# Altium PCB RPI_Gateway 1.0.1.PcbDoc (part 1 of 2)
Units mil, origin at the board's own origin, x right, y up, seen from the top; angles counter-clockwise.
Board outline 3746 x 4465 mil, 2 copper layers (Top Layer, Bottom Layer); 79 components, 93 nets, 612 pads, 46 vias.
Unrouted connection lines stored in the file: 69.
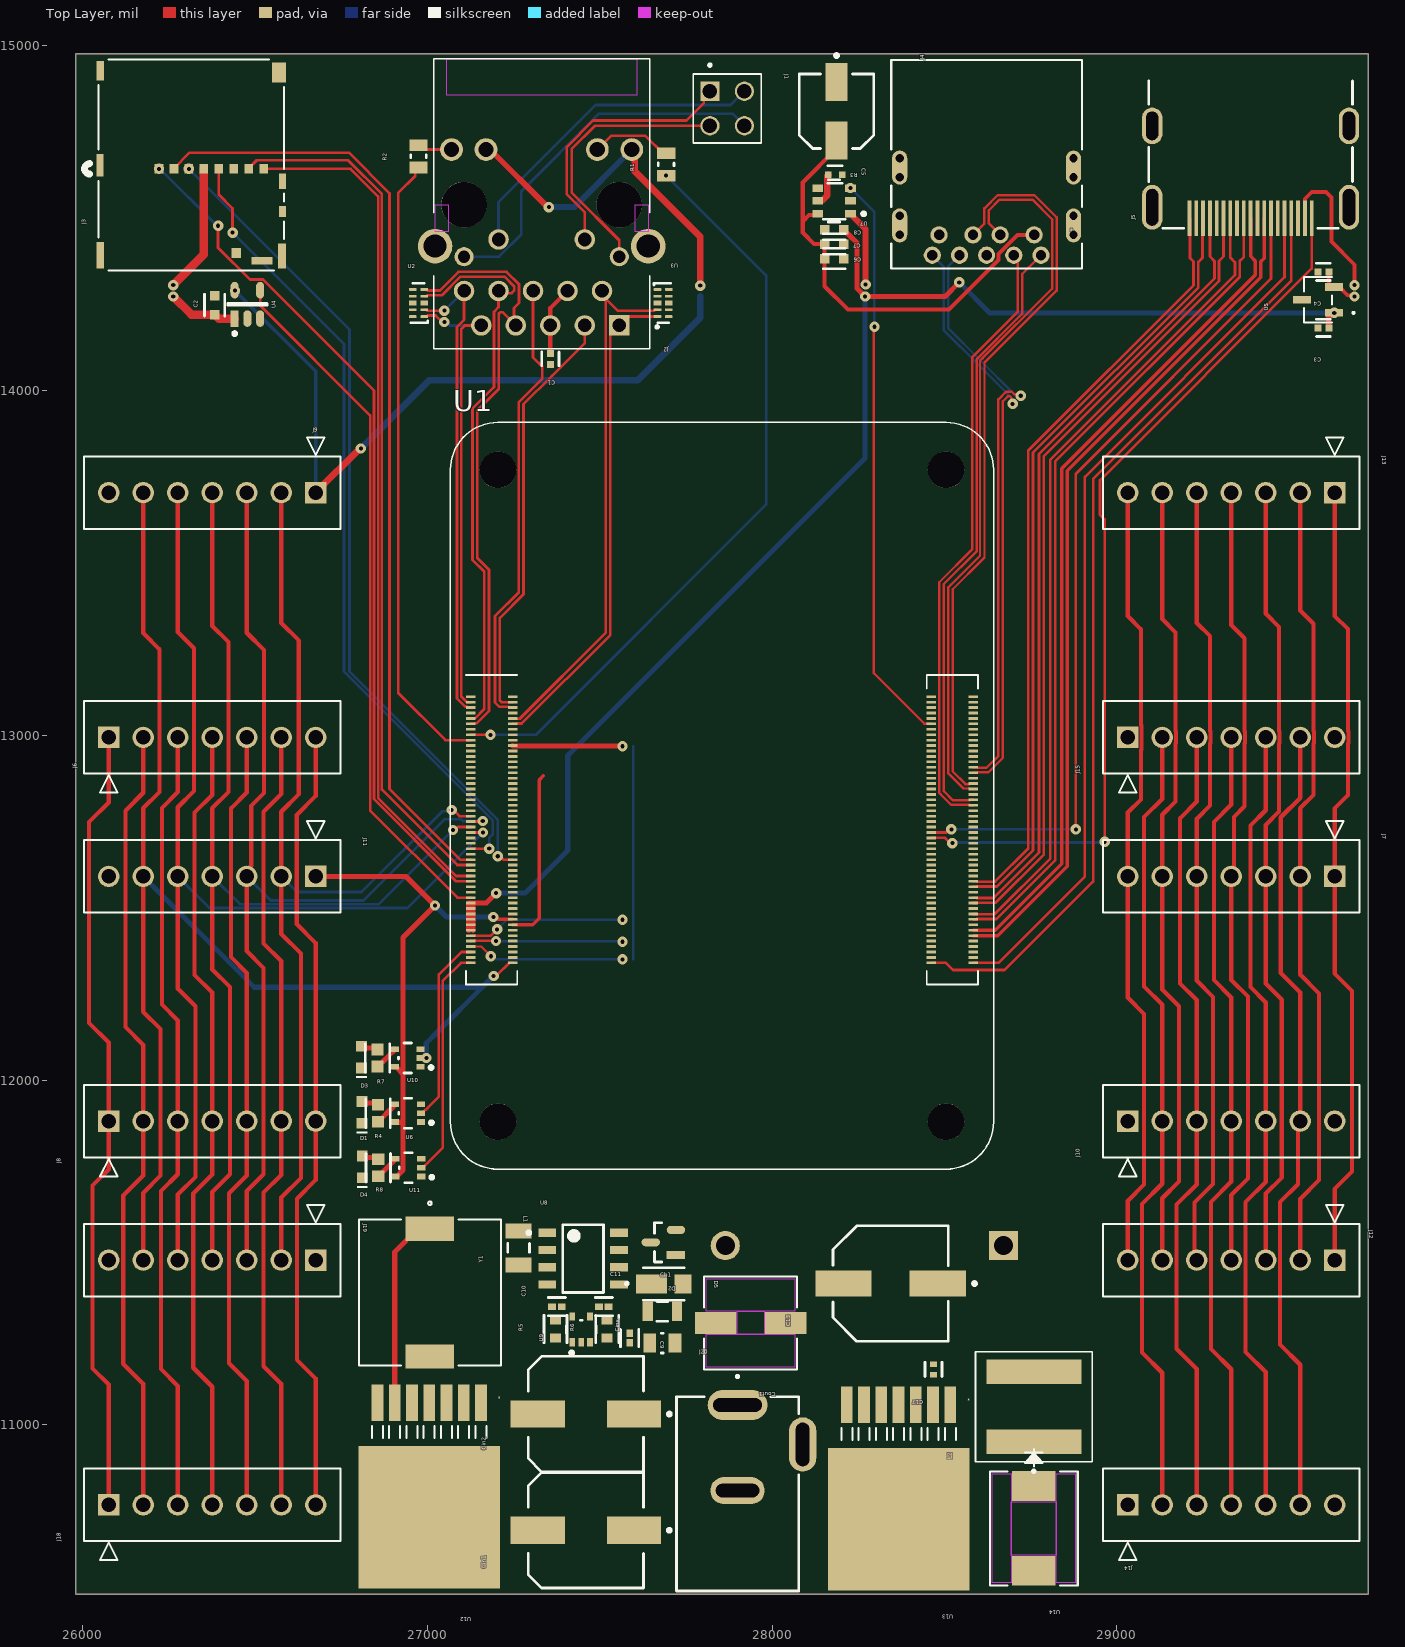
[diagram p0: Top Layer view]
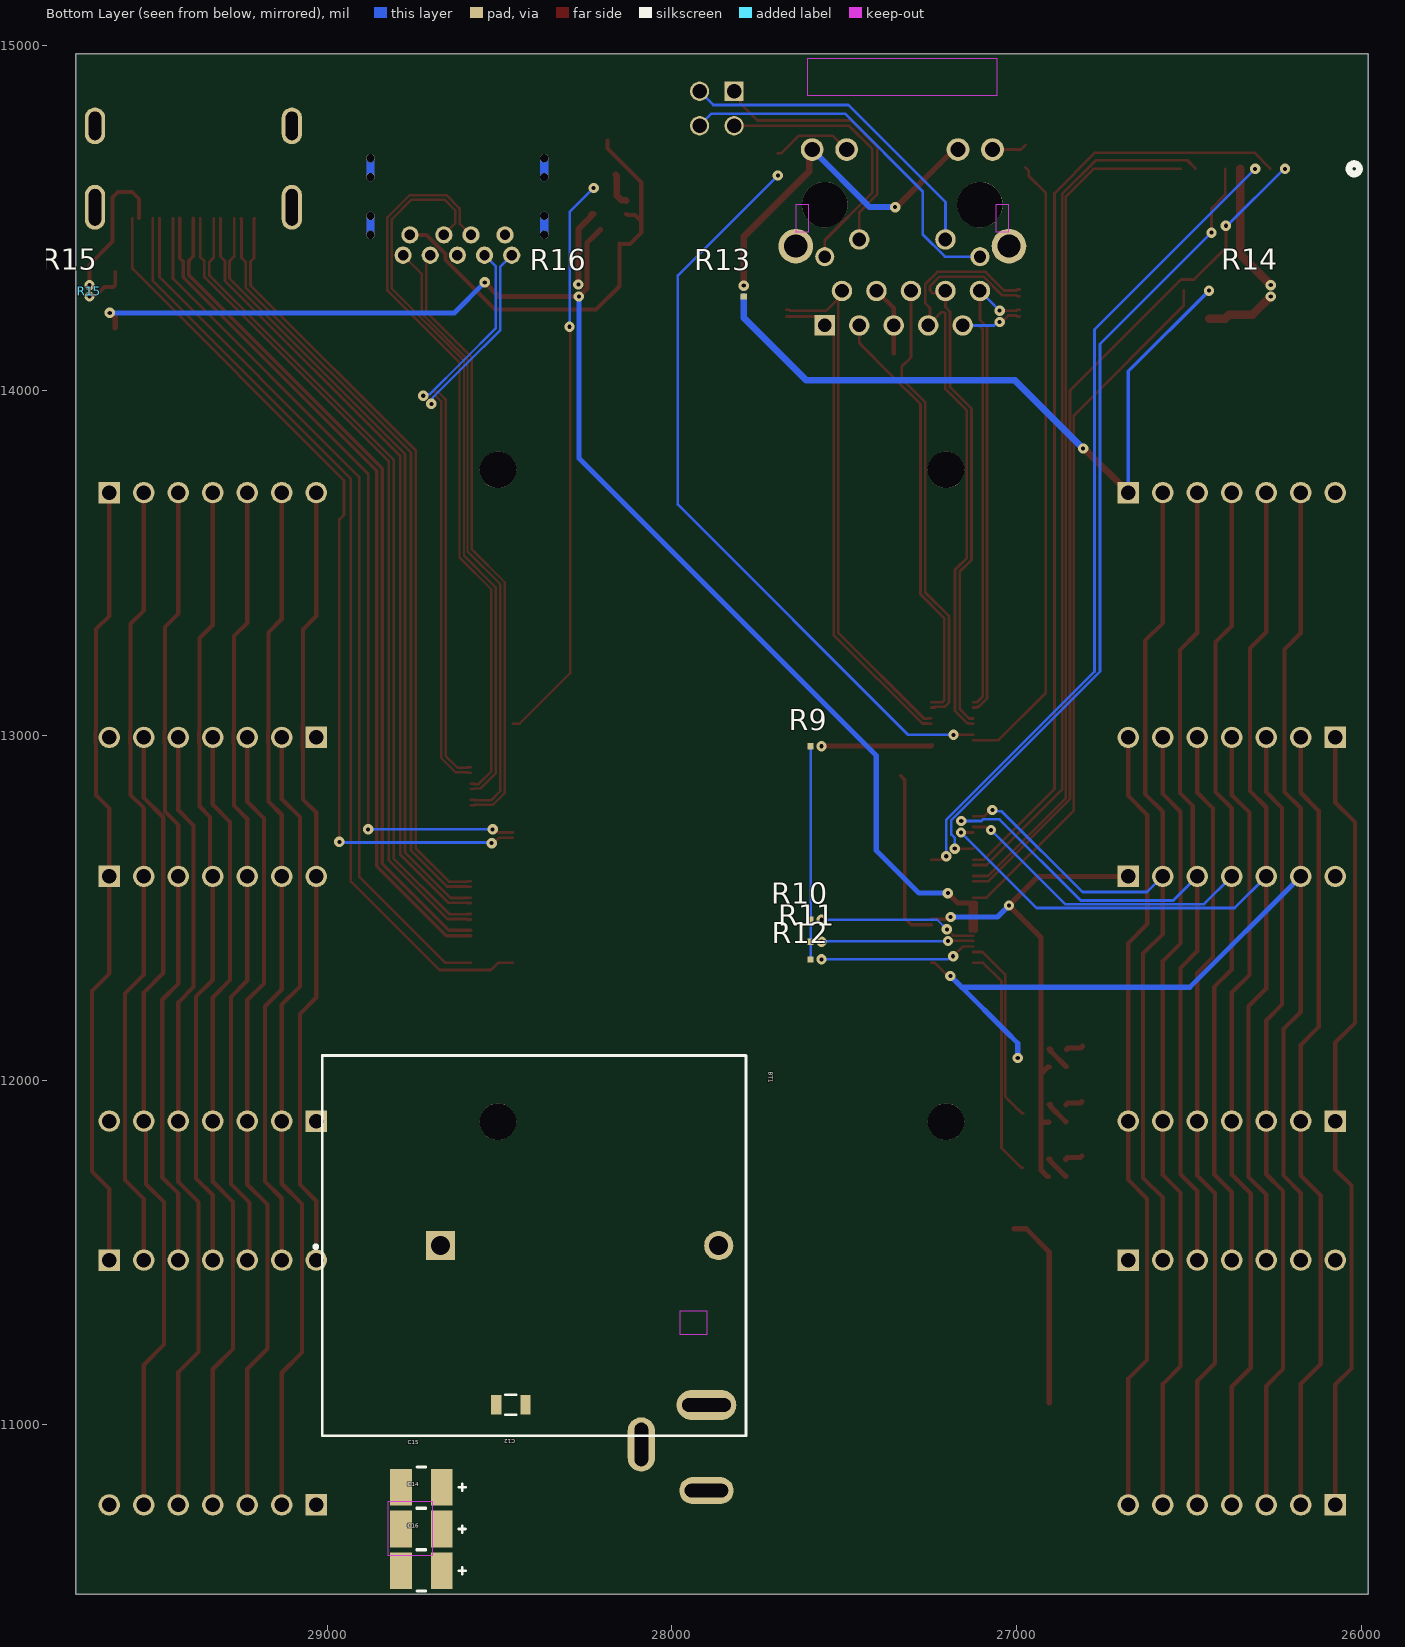
[diagram p1: Bottom Layer view, seen from below]

## Layer stack, top to bottom
Top Solder: solder mask 0.4, Solder Resist, Dk 3.5
Top Layer: signal copper 1.4
Dielectric 1: dielectric 12.6, FR-4, Dk 4.8
Bottom Layer: signal copper 1.4
Bottom Solder: solder mask 0.4, Solder Resist, Dk 3.5

## Board outline
25982,10510 25982,14975 29728,14975 29728,10510

## Design rules (kind name [scope] priority, off if disabled: settings)
Clearance [All] p1: gap=3 ignorepadtopadclearanceinfootprint=FALSE
DiffPairsRouting [All] p1: maxlimit=10 minlimit=5 mostfreqgap=6 toplayer_minwidth=6 toplayer_maxwidth=15 toplayer_prefwidth=10 bottomlayer_minwidth=6 bottomlayer_maxwidth=15 bottomlayer_prefwidth=10 maxuncoupledlength=500
PolygonConnect [All] p1: connectstyle=Relief reliefconductorwidth=10 reliefentries=4 polygonreliefangle="90 Angle" airgapwidth=10
RoutingVias [All] p1: holewidth=12 width=30 viastyle="Through Hole" minholewidth=6 minwidth=20 maxholewidth=30 maxwidth=50
SolderMaskExpansion [All] p1: expansion=4 istentingtop=FALSE
SupplyNets "Schematic Supply Nets_8" [InNet('+3V3 A')] p1: voltage=0.000
SupplyNets "Schematic Supply Nets_7" [InNet('+3V3 B')] p2: voltage=0.000
SupplyNets "Schematic Supply Nets_6" [InNet('+5')] p3: voltage=0.000
SupplyNets "Schematic Supply Nets_5" [InNet('VBUS')] p4: voltage=0.000
SupplyNets "Schematic Supply Nets_4" [InNet('SD_PWR')] p5: voltage=0.000
SupplyNets "Schematic Supply Nets_3" [InNet('+12')] p6: voltage=0.000
SupplyNets "Schematic Supply Nets_2" [InNet('GND')] p7: voltage=0.000
SupplyNets "Schematic Supply Nets" [InNet('HDMI_PWR')] p8: voltage=0.000
Width [All] p1: maxlimit=1000 minlimit=6 preferedwidth=10
29 further rules are at their usual default settings.

## Classes and differential pairs
component class "GPIOs RPI CM": R9 R10 R11 R12 U1
component class Power: C12 C13 C14 C15 C16 C17 Cb1 Cin1 Cin2 Cinx Cout1 D5 J20 L1 L2 U12 U13 U14
component class Bus: J6 J7 J8 J9 J10 J11 J12 J13 J14 J15 J18 J19
component class RTC: BT1 C9 C10 C11 D2 R5 R6 U8 U9 Y1
component class "SD Card": C2 J3 R14 U4
component class HDMI: C3 C4 J5 R15 U5
component class Indicators: 323 D1 D3 D4 R4 R7 R8 U6 U10 U11
component class USB: C5 C6 C7 C8 J4 R3 R16 U7
component class Ethernet: C1 J1 J2 R1 R2 R13 U2 U3
differential pair TRD3: +TRD3_P -TRD3_N
differential pair TRD2: +TRD2_P -TRD2_N
differential pair TRD1: +TRD1_P -TRD1_N
differential pair TRD0: +TRD0_P -TRD0_N
differential pair D2: +D2_P -D2_N
differential pair D1: +D1_P -D1_N
differential pair D0: +D0_P -D0_N
differential pair CK: +CK_P -CK_N
differential pair 1-Tx: +1-Tx_P -1-Tx_N
differential pair 1-Rx: +1-Rx_P -1-Rx_N
differential pair 1-D: +1-D_P -1-D_N

## Components (designator, comment, footprint, x,y, rotation, side; value= is the part's Value field where it differs from the comment)
BT1 "105" FP-105-MFG 28400,11520 r180 bottom
C1 "C0402C104K8PACTU" FP-C0402-BB-MFG 27357.13,14091 r270 top value="0.10 μF"
C2 "C1608X5R1A106K080AC" FP-C1608-080-0_1-MFG 26384,14247 r270 top
C3 "C0402C104K8PACTU" FP-C0402-BB-MFG 29598.5,14181 r180 top value="0.10 μF"
C4 "C0402C104K8PACTU" FP-C0402-BB-MFG 29598.5,14343 r180 top value="0.10 μF"
C5 "EEE-1AA101WR" FP-SC-MFG 28187,14809 r270 top
C6 "C1608X5R1A106K080AC" FP-C1608-080-0_1-MFG 28180,14382 r180 top
C7 "C1608X5R1A106K080AC" FP-C1608-080-0_1-MFG 28180,14424 r180 top
C8 "C1608X5R1A106K080AC" FP-C1608-080-0_1-MFG 28180,14466 r0 top
C9 "C0402C104K8PACTU" FP-C0402-BB-IPC_C 27587,11252 r270 top value="0.10 μF"
C10 "C0402C104K8PACTU" FP-C0402-BB-IPC_C 27376.12,11343.38 r180 top value="0.10 μF"
C11 "C0402C104K8PACTU" FP-C0402-BB-IPC_C 27512.2,11343.38 r0 top value="0.10 μF"
C12 "CGA4C2C0G1H103J060AA" FP-CGA4J-IPC_B 28467,11058.68 r0 bottom
C13 "20SVPF180M" FP-OS-CON-SMT-E7-MFG 28344,11410 r180 top
C14 "8TPE100MAZB" FP-POSCAP-B2-MFG 28726.46,10698.45 r180 bottom
C15 "8TPE100MAZB" FP-POSCAP-B2-MFG 28726.46,10819.45 r180 bottom
C16 "8TPE100MAZB" FP-POSCAP-B2-MFG 28726.46,10577.45 r180 bottom
C17 "GRM155R71C104KA88D" FP-GRM15-MFG 28468,11161 r270 top value=0.10μF
Cb1 "CGA4C2C0G1H103J060AA" FP-CGA4J-IPC_B 27682,11329.69 r0 top
Cin1 "EEE-FK1V101P" FP-FKF-MFG 27460.16,10694.64 r180 top
Cin2 "EEE-FK1V101P" FP-FKF-MFG 27460.16,11031.64 r180 top
Cinx "CC0805KRX7R8BB104" FP-CC0805-0_85-MFG 27682,11237.55 r180 top value="100 nF"
Cout1 "APXF6R3ARA221MF61G" CHEMI-F61 27938,11296 r180 top value=220uF
D1 "150060SS75000" WL-SMCW_0603_150060xx75000 26810.83,11906.46 r90 top
D2 "BAT54C-7-F" FP-SOT23-IPC_B 27685,11529.55 r180 top
D3 "150060SS75000" WL-SMCW_0603_150060xx75000 26809.83,12066.46 r90 top
D4 "150060SS75000" WL-SMCW_0603_150060xx75000 26811.83,11748.46 r90 top
D5 "FSV360FP" FP-425AC-MFG 27686.29,11409 r0 top
J1 "THD-02-R" VALCON_THD-02-R 27870,14817 r270 top
J2 "A70-112-331N126" EDAC_A70-112-331N126 27332.13,14538.06 r180 top
J3 "ST11S008V4HR2000" ST11S008V4HR2000_JAE 26316,14653.63 r180 top
J4 "483910003" CONN_483910003_MOL 28759.97,14450.64 r180 top
J5 "685119134923" 685119134923 -20612.4,-35291.36 r180 top
J6 "PPTC071LFBN-RC" CONN_xPxC071LFBN-RC_SUL 26077,12993.61 r180 top
J7 "PPTC071LFBN-RC" CONN_xPxC071LFBN-RC_SUL 29631.42,12590.61 r0 top
J8 "PPTC071LFBN-RC" CONN_xPxC071LFBN-RC_SUL 26077,11881 r180 top
J9 "PPTC071LFBN-RC" CONN_xPxC071LFBN-RC_SUL 26677,13703.21 r0 top
J10 "PPTC071LFBN-RC" CONN_xPxC071LFBN-RC_SUL 29031.42,11881 r180 top
J11 "PPTC071LFBN-RC" CONN_xPxC071LFBN-RC_SUL 26677,12590.6 r0 top
J12 "PPTC071LFBN-RC" CONN_xPxC071LFBN-RC_SUL 29631.42,11478 r0 top
J13 "PPTC071LFBN-RC" CONN_xPxC071LFBN-RC_SUL 29631.42,13703.21 r0 top
J14 "PPTC071LFBN-RC" CONN_xPxC071LFBN-RC_SUL 29031.42,10768.39 r180 top
J15 "PPTC071LFBN-RC" CONN_xPxC071LFBN-RC_SUL 29031.42,12993.61 r180 top
J18 "PPTC071LFBN-RC" CONN_xPxC071LFBN-RC_SUL 26077,10768.39 r180 top
J19 "PPTC071LFBN-RC" CONN_xPxC071LFBN-RC_SUL 26677,11478 r0 top
J20 "DCJ200-10-A-XX-K_REVA" GCT_DCJ200-10-A-XX-K_REVA 27900,10800 r0 top
L1 "MSS1038-183MLB" IND_MSS1038_COC 27008,11384 r270 top
L2 "XAL8080-103MEB" IND_XAL8080-103MEB 28759,11053 r90 top
R1 "CRCW0805470RFKEA" RESC2013X50X30LL20T20 27693,14655 r90 top value=470R
R2 "CRCW0805470RFKEA" RESC2013X50X30LL20T20 26975.13,14678.43 r90 top value=470R
R3 "ERJ-2RKF1502X" FP-ERJ2R-MFG 28183,14625 r0 top value=15kΩ
R4 "ERA-3AEB102V" FP-ERA3A-IPC_C 26857.37,11904 r270 top
R5 "RC0603FR-0710KL" FP-RC0603-0_55-IPC_C 27372.2,11278.38 r90 top
R6 "RC0603FR-0710KL" FP-RC0603-0_55-IPC_C 27522.2,11278.38 r90 top
R7 "ERA-3AEB102V" FP-ERA3A-IPC_C 26856.37,12064 r270 top
R8 "ERA-3AEB102V" FP-ERA3A-IPC_C 26858.37,11746 r270 top
R9 "ERJ2GE0R00X" RESC1005X40X25LL05T05 27582.25,12968 r0 bottom
R10 "ERJ2GE0R00X" RESC1005X40X25LL05T05 27582.25,12465 r0 bottom
R11 "ERJ2GE0R00X" RESC1005X40X25LL05T05 27582.25,12401 r0 bottom
R12 "ERJ2GE0R00X" RESC1005X40X25LL05T05 27582.25,12350 r0 bottom
R13 "ERJ2GE0R00X" RESC1005X40X25LL05T05 27792,14287.75 r90 bottom
R14 "ERJ2GE0R00X" RESC1005X40X25LL05T05 26264,14287.75 r90 bottom
R15 "ERJ2GE0R00X" RESC1005X40X25LL05T05 29689,14287.75 r90 bottom
R16 "ERJ2GE0R00X" RESC1005X40X25LL05T05 28270,14287.75 r270 bottom
U1 "ComputeModuleBase_1" Raspberry-Pi-Compute-Module 27205.39,11879.37 r0 top
U2 "TPD4EUSB30DQAR" DQA0010A_V 26975,14253 r180 top
U3 "TPD4EUSB30DQAR" DQA0010A_V 27684.44,14253 r0 top
U4 "RT9742GGJ5" FP-RT9742GGJ5-IPC_C 26479,14249 r90 top
U5 "RT9742SNGV" SOT_42SNGV_RIT 29583,14262 r90 top
U6 "74LVC1G07SE-7" FP-SOT353-MFG 26944.6,11904 r180 top
U7 "AP22653W6-7" FP-SOT26-MFG 28179.87,14549 r180 top
U8 "PCF85063AT/AAZ" FP-SOT96-1-MFG 27452.2,11482.38 r0 top
U9 "74LVC1G07SE-7" FP-SOT353-MFG 27446.59,11277.15 r90 top
U10 "74LVC1G07SE-7" FP-SOT353-MFG 26943.6,12064 r180 top
U11 "74LVC1G07SE-7" FP-SOT353-MFG 26945.6,11746 r180 top
U12 "LM2678SX-3.3NOPB" TS7B 27006,10738.54 r180 top
U13 "LM2678S-5.0NOPB" TS7B 28367,10732.68 r180 top
U14 "CDBC520-G" CDBC-G 28759,10700 r270 top
Y1 "ABS07-32.768KHZ-T" FP-ABS07-MFG 27265.2,11513.38 r90 top

## Footprints (in the part's own frame and the unit in brackets; to place one, negate y for a bottom-side part, rotate by r counter-clockwise, add the part's x,y. Pads: shape width x height; smd on the part's side, far side on the other; paste and mask are expansions set on the pad)
685119134923 [mm] "HDMI SMT Horizontal"
  rect 0.28x2.6 smd: 1(-1265.5,-1264.675) 2(-1266,-1264.675) 3(-1266.5,-1264.675) 4(-1267,-1264.675) 5(-1267.5,-1264.675) 6(-1268,-1264.675) 7(-1268.5,-1264.675) 8(-1269,-1264.675) 9(-1269.5,-1264.675) 10(-1270,-1264.675) 11(-1270.5,-1264.675) 12(-1271,-1264.675) 13(-1271.5,-1264.675) 14(-1272,-1264.675) 15(-1272.5,-1264.675) 16(-1273,-1264.675) 17(-1273.5,-1264.675) 18(-1274,-1264.675) 19(-1274.5,-1264.675)
  oval 1.5x2.7 hole 0.9 slot 2.1 at 90 deg: Shell(-1277.25,-1271.475) Shell(-1262.75,-1271.475)
  oval 1.5x3.3 hole 0.9 slot 2.7 at 90 deg: Shell(-1277.25,-1265.475) Shell(-1262.75,-1265.475)
  silkscreen extent -1277.5,-1274.78 -1262.5,-1263.92, body extent -1277.55,-1276.07 -1262.55,-1263.92, height 6.17
CDBC-G [mil]
  rect 86x126 smd paste+0 mask+0: 1(-123,0) 2(123,0)
  Top Layer keep-out region: -158,-120.5 -158,-65 158,-65 158,-120.5
  Top Layer keep-out region: -158,65 -158,120.5 158,120.5 158,65
  Top Layer keep-out region: -78,-65 -78,65 78,65 78,-65
  Keep-Out Layer region: -78,-65 -78,65 78,65 78,-65
  silkscreen extent -230,-128 165,128, body extent -160,-123 160,123, height 105
CHEMI-F61 [mil]
  rect 120x63 smd paste+0 mask+0: 1(-101.5,0) 2(101.5,0)
  Top Layer keep-out region: -39.5,-33.5 -39.5,33.5 39.5,33.5 39.5,-33.5
  Top Layer keep-out region: -128,33.5 -128,128 128,128 128,33.5
  Top Layer keep-out region: -128,-128 -128,-33.5 128,-33.5 128,-128
  Keep-Out Layer region: -39.5,-33.5 -39.5,33.5 39.5,33.5 39.5,-33.5
  silkscreen extent -135,-135 135,135, body extent -141,-130 141,130, height 230
CONN_483910003_MOL [mil]
  round 50 / inner round 60 / far side round 50 hole 30 paste-99999 mask+0: 1(0,0) 2(98.42,0) 3(177.16,0) 4(275.59,0) 5(295.27,59.05) 6(216.53,59.05) 7(137.79,59.05) 8(59.05,59.05) 9(-19.69,59.05)
  oval 44x99 smd paste-49.5 mask-49.5: 10(-114.17,-27.56) 11(389.76,-27.56) 12(-114.17,-194.88) 13(389.76,-194.88)
  round 24 / inner round 60 / far side round 24 hole 24 unplated paste-99999 mask-12: S_1_H1(-114.17,-0.06) S_1_H2(-114.17,-55.06) S_2_H1(389.76,-0.06) S_2_H2(389.76,-55.06) S_3_H1(-114.17,-167.38) S_3_H2(-114.17,-222.38) S_4_H1(389.76,-167.38) S_4_H2(389.76,-222.38)
  Multi-Layer lines w24: 389.76,-0.06 389.76,-55.06 ; 389.76,-167.38 389.76,-222.38 ; -114.17,-0.06 -114.17,-55.06 ; -114.17,-167.38 -114.17,-222.38
  silkscreen extent -139,-506 414,98, body extent -134,-502 409,93, height 367
CONN_xPxC071LFBN-RC_SUL [mil]
  rect 62x62 / inner round 60 / far side rect 62x62 hole 42 paste-99999 mask+0: 1(0,0)
  round 62 / inner round 60 / far side round 62 hole 42 paste-99999 mask+0: 2(-100,0) 3(-200,0) 4(-300,0) 5(-400,0) 6(-500,0) 7(-600,0)
  silkscreen extent -672,-105 72,160, body extent -660,-50 60,50, height 335
DQA0010A_V [mm] "SON, 10-Leads, Body 1x2.5mm, Pitch 0.5mm, TI Recommended"
  rrect50% 0.565x0.2 smd: 1(-0.417,1) 2(-0.417,0.5) 4(-0.417,-0.5) 5(-0.417,-1) 6(0.418,-1) 7(0.418,-0.5) 9(0.418,0.5) 10(0.418,1)
  rrect25% 0.565x0.4 smd paste-0.2: 3(-0.417,0) 8(0.418,0)
  rrect28% 0.565x0.36 on Top Paste: 3(-0.417,0) 8(0.418,0)
  silkscreen extent -0.67,-1.45 0.55,1.45, body extent -0.55,-1.3 0.55,1.3, height 0.56
EDAC_A70-112-331N126 [mm]
  rect 1.508x1.508 hole 1: 1(-5.715,8.89)
  round 1.508 hole 1: 2(-4.445,6.35) 3(-3.175,8.89) 4(-1.905,6.35) 5(-0.635,8.89) 6(0.635,6.35) 7(1.905,8.89) 8(3.175,6.35) 9(4.445,8.89) 10(5.715,6.35) 12(-3.175,2.56) 13(3.175,2.56)
  round 1.408 hole 0.9: 11(-5.715,3.83) 14(5.715,3.83)
  round 1.68 hole 1.12: 15(-6.64,-4.06) 16(-4.1,-4.06) 17(4.1,-4.06) 18(6.64,-4.06)
  round 2.55 hole 1.7: S1(-7.85,3.05) S2(7.85,3.05)
  round 3.35 hole 3.35 unplated: ""(-5.715,0) ""(5.715,0)
  Keep-Out Layer region: -6.875,0 -7.85,0 -7.85,2 -6.875,2
  Keep-Out Layer region: 7.85,0 6.875,0 6.875,2 7.85,2
  Keep-Out Layer region: 7.005,-10.75 -7.005,-10.75 -7.005,-8.05 7.005,-8.05
  silkscreen extent -8.6,-10.75 7.95,10.6, body extent -8.1,-10.83 8.1,10.67, height 13.65
FP-105-MFG [mm]
  rect 2.145x2.145 hole 1.395 paste-2539.97 mask+0: 1(-6.89,0)
  round 2.145 hole 1.395 paste-2539.97 mask+0: 2(13.6,0)
  silkscreen extent -16.2,-14.01 15.6,14.01, body extent -15.48,-13.88 15.48,13.88, height 8.76
FP-425AC-MFG [mm]
  rect 2.3x1.4 smd paste+0 mask+0: 1(-0.9,0)
  rect 1.25x1.4 smd paste+0 mask+0: 2(1.425,0)
  silkscreen extent -2.82,-1.2 1.5,1.2, body extent -1.85,-0.87 1.85,0.87, height 1
FP-ABS07-MFG [mm]
  rect 1.1x1.9 smd paste+0 mask+0: 1(-1.25,0) 2(1.25,0)
  silkscreen extent -0.32,-0.8 0.32,0.8, body extent -1.6,-0.75 1.6,0.75, height 0.9
FP-C0402-BB-IPC_C [mil]
  rect 22.26x18.6 smd paste+0 mask+0: 1(-13.92,0) 2(13.92,0)
  silkscreen extent -25,-27 25,27, body extent -20,-10 20,10, height 22
FP-C0402-BB-MFG [mm]
  rect 0.52x0.52 smd paste+0 mask+0: 1(-0.4,0) 2(0.4,0)
  silkscreen extent -0.5,-0.63 0.5,0.64, body extent -0.5,-0.25 0.5,0.25, height 0.55
FP-C1608-080-0_1-MFG [mm]
  rect 0.7x0.7 smd paste+0 mask+0: 1(-0.7,0) 2(0.7,0)
  silkscreen extent -0.8,-0.75 0.8,0.75, body extent -1.15,-0.55 1.15,0.55, height 0.25
FP-CC0805-0_85-MFG [mm]
  rect 0.95x1.4 smd paste+0 mask+0: 1(-0.925,0) 2(0.925,0)
  silkscreen extent -0.07,-0.73 0.07,0.73, body extent -1,-0.63 1,0.63, height 0.95
FP-CGA4J-IPC_B [mil]
  rect 29.77x57.33 smd paste+0 mask+0: 1(-42.32,0) 2(42.32,0)
  silkscreen extent -16,-29 16,29, body extent -39,-25 39,25, height 57
FP-ERA3A-IPC_C [mil]
  rect 33.66x35.68 smd paste+0 mask+0: 1(-24.63,0) 2(24.63,0)
  silkscreen extent -41,-35 41,35, body extent -45,-24 45,24, height 10
FP-ERJ2R-MFG [mm]
  rect 0.475x0.5 smd paste+0 mask+0: 1(-0.513,0) 2(0.513,0)
  silkscreen extent -0.53,-0.64 0.53,0.65, body extent -0.85,-0.38 0.85,0.38, height 0.25
FP-FKF-MFG [mm]
  rect 4x2 smd paste+0 mask+0: 1(-3.55,0) 2(3.55,0)
  silkscreen extent -6.28,-4.25 4.25,4.25, body extent -5.8,-4.5 5.8,4.5, height 0.25
FP-GRM15-MFG [mm]
  rect 0.4x0.5 smd paste+0 mask+0: 1(-0.4,0) 2(0.4,0)
  silkscreen extent -0.53,-0.62 0.53,0.62, body extent -0.7,-0.38 0.7,0.38, height 0.25
FP-OS-CON-SMT-E7-MFG [mm]
  rect 4.15x1.9 smd paste+0 mask+0: 1(-3.475,0) 2(3.475,0)
  silkscreen extent -6.3,-4.25 4.25,4.25, body extent -5.8,-4.5 5.8,4.5, height 0.25
FP-POSCAP-B2-MFG [mm]
  rect 1.6x2.7 smd paste+0 mask+0: 1(-1.5,0) 2(1.5,0)
  silkscreen extent -0.33,-1.5 3.25,1.5, body extent -1.75,-1.4 1.75,1.4, height 2
FP-RC0603-0_55-IPC_C [mil]
  rect 25.93x31.97 smd paste+0 mask+0: 1(-26.64,0) 2(26.64,0)
  silkscreen extent -40,-33 40,33, body extent -31,-16 31,16, height 22
FP-RT9742GGJ5-IPC_C [mil]
  rect 48.02x23.17 smd paste+0 mask+0: 1(-41.07,36.99)
  rrect100% 48.02x23.17 smd paste+0 mask+0: 2(-41.07,0) 3(-41.07,-36.99) 4(41.07,-36.99) 5(41.07,36.99)
  silkscreen extent -90,-57 3,57, body extent -69,-61 69,61, height 10
FP-SC-MFG [mm]
  rect 2.8x1.6 smd paste+0 mask+0: 1(-2.15,0) 2(2.15,0)
  silkscreen extent -4.22,-2.75 2.75,2.75, body extent -3.8,-3 3.8,3, height 0.25
FP-SOT23-IPC_B [mm]
  rect 1.359x0.587 smd paste+0 mask+0: 1(-0.927,0.915)
  rrect100% 1.359x0.587 smd paste+0 mask+0: 2(-0.927,-0.915) 3(0.927,0)
  silkscreen extent 0.13,-1.45 0.65,1.45, body extent -1.2,-1.45 1.2,1.45, height 1.1
FP-SOT26-MFG [mm]
  rect 0.8x0.55 smd paste+0 mask+0: 1(-1.2,0.95) 2(-1.2,0) 3(-1.2,-0.95) 4(1.2,-0.95) 5(1.2,0) 6(1.2,0.95)
  silkscreen extent -2.3,-1.55 0.42,1.55, body extent -1.7,-1.65 1.7,1.65, height 0.25
FP-SOT96-1-MFG [mm]
  rect 1.3x0.6 smd paste+0 mask+0: 1(-2.65,1.905) 2(-2.65,0.635) 3(-2.65,-0.635) 4(-2.65,-1.905) 5(2.65,-1.905) 6(2.65,-0.635) 7(2.65,0.635) 8(2.65,1.905)
  silkscreen extent -4.12,-2.5 1.5,2.5, body extent -3,-2.45 3,2.45, height 1.75
FP-SOT353-MFG [mm]
  rect 0.6x0.42 smd paste+0 mask+0: 1(-0.95,0.65) 2(-0.95,0) 3(-0.95,-0.65) 4(0.95,-0.65) 5(0.95,0.65)
  silkscreen extent -1.85,-1.1 0.68,1.1, body extent -1.35,-1.2 1.35,1.2, height 0.25
GCT_DCJ200-10-A-XX-K_REVA [mm]
  oval 4.4x2.2 hole 1 slot 3.6 at 0 deg: 1(0,6.55)
  oval 4x2 hole 1 slot 3.2 at 0 deg: 2(0,0.25)
  oval 2x4 hole 1 slot 3.2 at 90 deg: 3(4.8,3.65)
  silkscreen extent -4.5,-7.15 4.5,8.75, body extent -4.5,-7.15 5.05,7.15, height 11
IND_MSS1038_COC [mil]
  rect 70x140 smd paste-35 mask+0: 1(-185,0) 2(185,0)
  silkscreen extent -264,-206 212,206, body extent -207,-201 207,201, height 158
IND_XAL8080-103MEB [mm]
  rect 1.78x7 smd: 1(-2.58,0) 2(2.58,0)
  silkscreen extent -4.85,-4.3 4.05,4.3, body extent -4.05,-4.3 4.05,4.3, height 8